# KiCad board GateMateA1-EVB_Rev_A.kicad_pcb (continued)
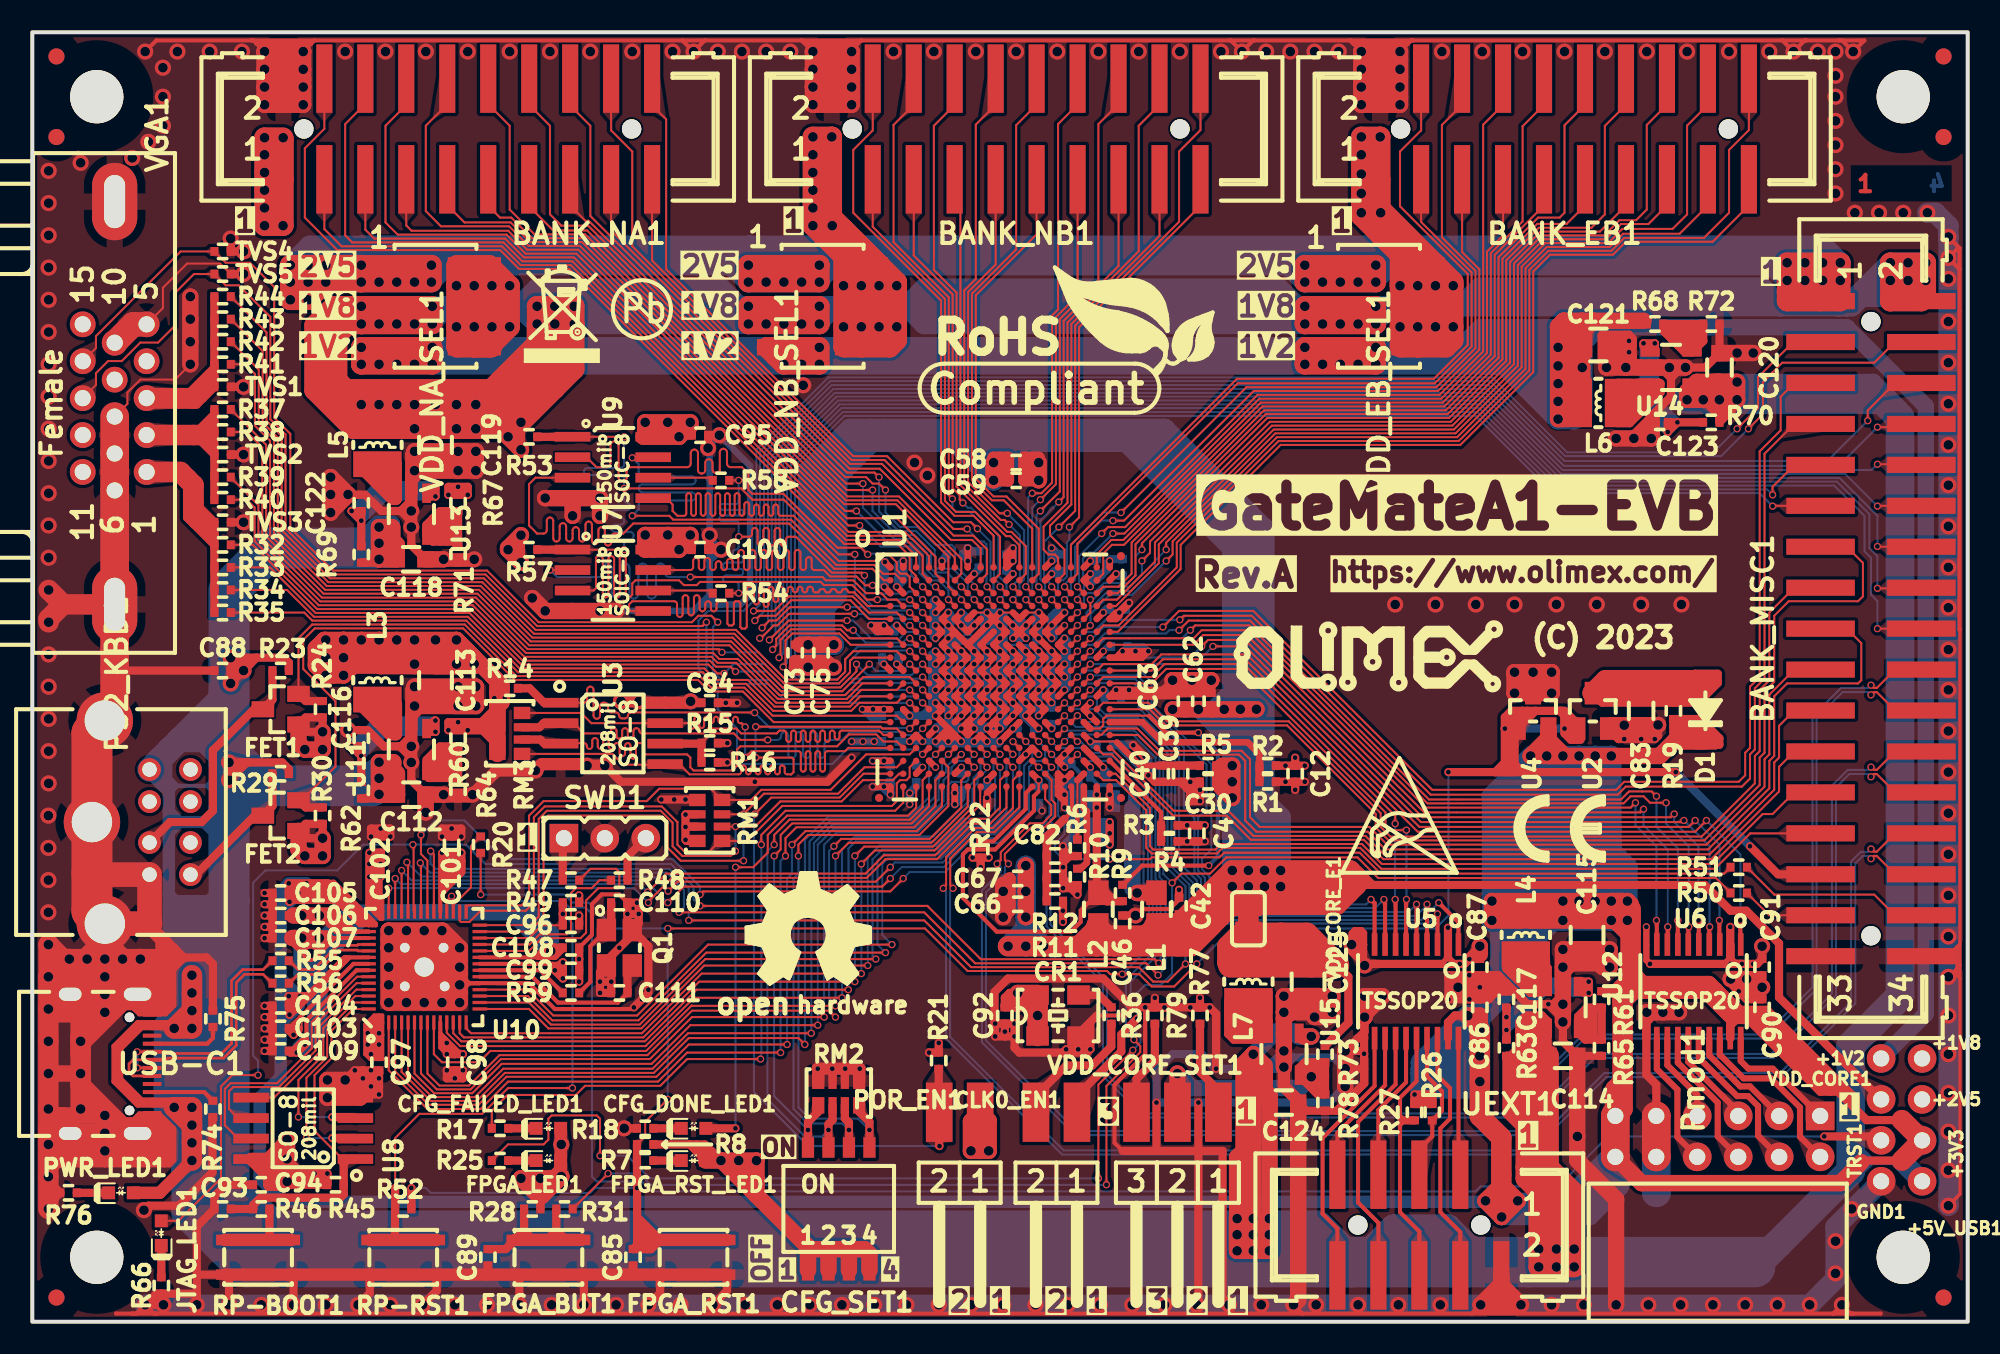
[diagram p0: board, top side]
## Routing (per net, layer and track width the routed paths; a pad name or vN(x,y) marks a point on that pad's centre or on a via; arc(x,y) is an arc through that point) (continued)
  Top w1.27: 98.6,14.85 98.6,20.55 99.1,21.05 99.1,24.1 ; 98.6,14.85 98.15,14.4 Pmod1.6 98.6,13.22 98.6,14.85 ; 99.1,24.1 99.1,25.6 ; 99.1,24.1 98.18,25.02 C115.1 ; 115.92,10 +3V3.1 115.92,12.51 ; 91.08,7.4 UEXT1.1 91.08,11.42 89.75,12.75 v1(89.75,14.9) v1(89.75,18.1)
  Top w1.778: Pmod1.6 Pmod1.12
  In1.Cu w1.016: 98.9,25.5 v1(98.9,24.9) v1(94.9,24.9) v1(94.9,26.1) ; 98.9,25.5 95.5,25.5 v1(94.9,26.1) ; 98.9,25.5 v1(98.9,26.1) v1(94.9,26.1) ; v1(90.5,26.1) v1(90.5,24.9) ; v1(92.9,35.1) v1(97.9,35.1)
  In2.Cu w1.016: v1(98.9,24.9) v1(94.9,24.9) 94.9,25.4 ; v1(98.9,24.9) v1(98.9,26.1) v1(94.9,26.1) 94.9,25.4 ; v1(98.9,24.9) 98.4,25.4 94.9,25.4 ; v1(97.9,35.1) v1(92.9,35.1)
  Bottom w0.508: 86.3,14.1 v2(86.8,14.1) ; 86.3,14.1 89,16.8 89,16.3 v2(86.8,14.1) ; 86.3,14.1 v2(85.7,14.1) ; v2(86.8,14.1) 87.4,14.1 ; v2(85.7,14.1) 89,17.4 ; v2(85.7,14.1) 85.7,15.69 86.1,16.09 ; 87.8,14.1 88.3,14.1 ; 87.8,14.1 87.4,14.1 ; 87.8,14.1 89,15.3 89,16 89,15.7 87.4,14.1 ; 88.3,14.1 88.95,14.1 v1(89.75,14.9) ; 88.3,14.1 89,14.8 89,14.9
  Bottom w0.762: 16.5,19.6 16.5,20.2 15.4,21.3 15.4,21.4 ; 16.5,19.6 15.4,19.6 ; 16.5,19.6 v2(15.95,19.05) 15.4,18.5 ; 16.5,19.6 v2(15.9,20.2) 15.4,20.7 ; 16.2,26.9 15.4,26.1 15.4,25.5 ; 16.2,26.9 v2(16.5,26.6) ; 16.2,26.9 v2(15.9,27.2) ; 15.4,25.5 15.4,26.7 v2(15.9,27.2) ; 15.4,25.5 15.4,21.4 ; 15.4,25.5 v2(15.95,26.05) v2(16.5,26.6) ; v2(16.5,26.6) 17,27.1 v2(17,27.2) v2(15.9,27.2) ; v1(90.1,7.5) 90.04,7.44 15.57,7.44 14.1,8.92 14.1,13.9 15.4,15.2 15.4,18.5 ; 15.4,18.5 15.4,19.6 ; 15.4,19.6 15.4,20.7 ; 15.4,21.4 15.4,20.7
  Bottom w1.016: 94,6.5 v1(91.1,6.5) ; 94,6.5 94.42,6.5 Pmod1.12 ; 94,6.5 96.6,6.5 98.15,8.05 98.15,8.55 96.1,6.5 95.3,6.5 ; 94,6.5 95.3,6.5 ; v1(91.1,6.5) v1(92.1,7.5) ; v1(91.1,6.5) v1(90.1,7.5) v1(92.1,7.5) ; v1(92.1,7.5) 94.95,7.5 97.68,10.23 Pmod1.12 ; 93,26.1 93,35.1 95,35.1 95,26.1 ; Pmod1.12 98.15,9.35 95.3,6.5 ; 94,35.1 94,26.1
  Bottom w1.27: v1(89.75,18.1) v1(89.75,14.9) 89,14.9 89,17.4 v1(89,18.99) ; v1(89.75,18.1) 89.75,18.85 90.45,19.55 ; v1(89.75,18.1) 89.75,18.24 89.4,18.6 ; 91.6,26.1 92.3,26.1 ; 91.6,26.1 v1(90.5,26.1) ; 91.6,26.1 91.6,33.7 93,35.1 ; 92.3,26.1 92.3,34.4 93,35.1 ; 92.3,26.1 v1(97.9,26.1) ; 86.1,15.4 86.1,16.09 v1(89,18.99) ; 86.1,15.4 89.3,18.6 89.4,18.6 ; 86.1,15.4 86.1,14.5 ; 97.9,30.7 97.9,29.2 98.9,28.2 v1(98.9,26.1) v1(98.9,24.9) v1(97.9,24.9) ; 97.9,30.7 v1(97.9,35.1) 93,35.1 ; 97.9,30.7 v1(97.9,26.1) ; 90.45,19.55 91,20.1 ; 90.45,19.55 89.89,18.99 v1(89,18.99) ; 91,20.1 91.5,20.6 ; 91,20.1 91,24.4 v1(90.5,24.9) ; 89.4,18.6 v1(89,18.99) ; 93.3,23.9 94.3,24.9 v1(94.9,24.9) 93.5,24.9 91.5,22.9 ; 93.3,23.9 91.5,22.1 ; 93.3,23.9 93.3,22.4 91.5,20.6 ; v1(90.5,26.1) 90.5,32.6 93,35.1 ; v1(90.5,26.1) v1(90.5,24.9) ; v1(97.9,24.9) v1(97.9,26.1) ; v1(97.9,24.9) v1(90.5,24.9) ; 91.5,21 89.49,18.99 v1(89,18.99) ; 91.5,21 91.5,22.1 ; 91.5,21 91.5,20.6 ; 93,35.1 94,35.1 ; v1(90.5,24.9) 91.5,23.9 91.5,22.9 ; v1(95.9,26.1) v1(95.9,35.1) ; 91.5,22.1 91.5,22.9 ; v1(96.9,26.1) v1(96.9,35.1)
  Bottom w1.778: Pmod1.12 98.15,8.55
  vias: v1(89.75,16.5) v1(93.9,35.1) v1(94.9,35.1) v2(16.45,19.55)
+5V_USB: length 770.1
  Top w0.381: v1(8.8,13.3) 8.62,13.47 USB-C1.A9 6.54,13.47 5.1,14.91 5.1,17.09 6.54,18.53 USB-C1.A4 9.58,18.53 v1(9.9,18.2) ; v1(9.9,13.3) 9.47,13.72 USB-C1.B4 6.78,13.72 5.45,15.05 5.45,16.95 6.78,18.28 USB-C1.B9 8.72,18.28 v1(8.8,18.2)
  Top w0.508: 12.2,34.1 v1(12.2,33.6) 13.3,34.7 ; 12.2,34.1 12.8,34.7 13.3,34.7 ; 12.2,34.1 v1(12.2,34.7) 13.4,34.7 ; 76.4,15.9 76.65,15.65 U15.4 76.65,14.1 ; 13.5,40.8 12.71,40.8 C88.1 ; 13.5,40.8 v1(13.1,40.4) ; 13.5,40.8 13.9,41.2 ; 93.6,19 93.95,18.65 U12.4 93.95,16.56 C114.1 93.6,16.91 93.6,19 ; 93.6,19 93.2,19 ; 92.6,11.7 91.4,12.9 R63.2 ; R63.2 92.59,16.49 92.6,16.5 ; R63.2 91.41,16.49 91.8,16.1 ; R63.2 91.64,16.49 92.2,17.05 92.2,18.6 92.6,19 93.2,19 ; R70.2 104.61,57.19 v1(104.6,57.2) ; R70.2 104.61,56.19 v1(103.6,57.2) ; R70.2 104.61,56.11 v1(105.7,57.2) 105.7,56.89 R70.2 ; v1(21.5,47.3) 21.29,47.09 R69.2 20.79,47.09 21.5,47.8 ; C88.1 12.31,41.19 v1(12.3,41.2) 13.9,41.2 ; C88.1 12.31,39.61 v1(12.3,39.6) v1(13.1,40.4) ; C88.1 v1(13.1,40.4) ; 13.4,34.7 15.5,34.7 15.91,34.29 R29.1 ; 13.4,34.7 13.3,34.7 ; 91.8,16.1 91.8,13.1 92.6,12.3 ; 91.8,16.1 92.6,15.3 ; 93.2,19 92.6,18.4 ; 93.2,19 93.2,16.6 93.3,16.5 ; 13.9,41.2 15.6,41.2 15.91,40.89 R23.1 ; 78.8,17.7 78.75,17.7 U15.1 ; v1(21.5,33.72) 21.5,33.23 20.74,32.46 R62.2 22.38,32.46 C112.1 22.55,32.76 U11.4 ; 12.24,34.64 12.2,34.6
  Top w0.762: v1(9.9,10) 7.9,8 PWR_LED1.2
  Top w1.016: C120.1 105.2,58.31 ; C120.1 104.61,57.21 v1(104.6,57.2) ; C120.1 103.21,58.31 102.6,57.71 v1(102.6,57.2) 103.3,57.2 ; C120.1 104.41,58.31 103.3,57.2 ; 105.2,58.31 105.2,57.7 v1(105.7,57.2) ; 105.2,58.31 105.69,58.31 v1(105.7,58.3) v1(105.7,57.2) ; 22.6,48.2 22.2,48.6 22.2,48 v1(21.5,47.3) ; 22.6,48.2 22.3,48.5 22.3,49.3 v1(21.5,49.3) v1(21.5,47.3) ; 22.6,48.2 C118.1 v1(21.5,47.3) ; v1(79.3,17.7) 78.8,17.7 ; v1(105.7,57.2) v1(104.6,57.2) ; v1(104.6,57.2) 103.3,57.2 ; v1(21.5,34.72) v1(21.5,33.72) v1(21.5,32.72) 21.52,32.7 C112.1 ; v1(21.5,34.72) 21.5,33.81 C112.1 ; v1(21.5,34.72) 22.38,34.72 22.38,32.93 C112.1 ; v1(75.7,4.4) v1(74.7,4.4) ; v1(75.7,4.4) v1(75.7,5.4) ; v1(75.7,4.4) v1(76.7,4.4) ; v1(75.7,4.4) 75.7,5.64 ; v1(74.7,4.4) v1(74.7,5.4) ; v1(74.7,4.4) v1(74.7,6.4) ; 22.48,34.13 22.61,34.01 C112.1 ; v1(75.7,5.4) v1(74.7,5.4) ; v1(75.7,5.4) v1(75.7,6.4) ; v1(75.7,5.4) v1(76.7,5.4) ; v1(75.7,6.4) v1(76.7,6.4) v1(76.7,5.4) ; v1(75.7,6.4) v1(74.7,6.4) ; v1(74.7,6.4) v1(74.7,5.4) ; v1(74.7,6.4) 74.7,10.2 75.05,10.55 ; v1(75.7,16.6) 75.7,11.2 ; v1(75.7,16.6) 76.4,15.9 76.4,14.35 76.71,14.04 76.71,5.65 76.7,5.64 ; v1(75.7,16.6) 75.1,16 75.1,10.6 75.05,10.55 ; 75.7,11.2 75.7,5.64 ; 75.7,11.2 75.05,10.55 ; 76.7,5.64 75.7,5.64 ; 76.7,5.64 v1(76.7,4.4) ; v1(76.7,4.4) v1(76.7,5.4)
  Top w1.27: 92.6,16.5 92.6,18.4 ; 92.6,16.5 93.3,16.5 ; 92.6,16.5 92.6,9.6 ; 93.25,8.25 92.6,8.9 92.6,9.6 ; 93.25,8.25 95.6,5.9 ; 93.25,8.25 93.4,8.1 v1(93.4,4.51) ; v1(93.4,4.51) v1(95.6,4.51) ; v1(93.4,4.51) v1(93.4,3.4) v1(95.6,3.4) v1(95.6,4.51) ; v1(95.6,4.51) 95.6,5.9 ; v1(94.5,4.51) 94.5,7.7 92.6,9.6 ; 95.6,5.9 95.6,8 94.01,9.59 ; 94.01,9.59 93.3,10.3 93.3,16.5 ; 94.01,9.59 C114.1 93.3,16.5 ; v1(9.9,12.2) v1(8.8,13.3) v1(9.9,13.3) v1(9.9,12.2) ; v1(9.9,12.2) v1(9.9,11.1) v1(9.9,10) ; v1(9.9,21.5) v1(9.9,20.4) v1(9.9,18.2) v1(8.8,18.2) v1(9.9,19.3)
  In1.Cu w1.016: v1(75.7,6.4) v1(74.7,6.4) v1(74.7,4.4) v1(76.7,4.4) v1(76.7,6.4) v1(75.7,6.4) ; v1(75.7,6.4) v1(75.7,4.4) ; v1(102.6,57.2) v1(105.7,57.2) v1(105.7,58.3) v1(104.6,57.2) ; v1(74.7,5.4) v1(76.7,5.4)
  In2.Cu w1.016: v1(102.6,57.2) v1(105.7,57.2) v1(105.7,58.3) v1(104.6,57.2) ; v1(76.7,5.4) v1(74.7,5.4) ; v1(76.7,4.4) v1(74.7,4.4) v1(74.7,6.4) v1(76.7,6.4) v1(76.7,4.4)
  Bottom w0.254: 10.8,33.25 12.2,34.65 v1(12.2,34.7) ; 10.8,33.25 9.2,33.25 ; 10.8,33.25 12.2,31.85 12.2,31.8 ; 10.8,33.25 12.2,33.25 ; 8.38,33.88 8.38,35.37 8.56,35.55 8.56,33.71 8.68,33.58 ; 8.38,33.88 8.68,33.58 ; 8.38,33.88 7.86,34.41 7.86,34.84 ; 9.2,33.25 8.28,33.25 ; 9.2,33.25 9.02,33.25 ; 8.68,33.58 9.02,33.25 ; 9.02,33.25 8.47,32.7
  Bottom w0.508: 114,9.97 113.37,9.34 112.74,9.34 ; 114,9.97 115.92,9.97 ; 114,9.97 113.37,9.97 ; 114,9.97 112.74,11.23 112.74,11.4
  Bottom w0.762: 12.2,26.1 8.87,26.1 8.47,26.5 ; v1(8.8,18.2) 8.47,18.53 8.47,25.1 ; 12.2,33.25 12.2,32.5 10.7,31 ; 8.47,30.1 8.47,30.37 9.1,31 ; 8.47,30.1 8.47,26.5 ; 8.47,30.1 8.47,31 ; 8.47,25.1 8.63,24.93 11.03,24.93 10.37,25.6 8.47,25.6 ; 8.47,25.1 8.47,25.6 ; 12.2,31.8 11.4,31 10.7,31 ; 10.7,31 12.2,29.5 12.2,29.1 ; 10.7,31 9.1,31 ; 8.47,31 9.1,31 ; 8.47,31 8.47,31.7 ; 9.1,31 8.47,31.63 8.47,31.7 ; 8.47,31.7 8.47,33.06 8.28,33.25 ; 8.47,25.6 8.47,26.5
  Bottom w1.016: 21.24,49.3 19.94,48 19.8,48 ; 21.24,49.3 v1(21.5,49.3) v1(21.5,47.3) ; 21.24,49.3 21.44,49.5 22.3,49.5 22.3,48.1 ; 22.3,48.1 v1(21.5,47.3) ; 22.3,48.1 22.3,47.67 21.92,47.3 v1(21.5,47.3) ; v1(21.5,34.72) v1(21.5,32.72) ; v1(21.5,34.72) v1(21.5,33.72) v1(21.5,32.72) ; v1(21.5,34.72) 22.21,34.72 22.3,34.62 22.3,32.84 22.17,32.72 v1(21.5,32.72) ; v1(102.6,57.2) 102.6,57.7 103.2,58.3 v1(105.7,58.3) 114.15,58.3 115.8,56.65 115.8,56.1 ; PS2_KBD1.4 8.28,33.25 ; v1(75.7,16.6) 77.1,18 78.2,18 78.5,17.7 v1(79.3,17.7)
  Bottom w1.27: +5V_USB1.1 115.92,9.97
  Bottom w1.524: 9.11,36.1 12.2,39.19 12.2,39.2 ; 9.11,36.1 10.2,36.1 ; 9.11,36.1 PS2_KBD1.4 ; 89.5,4.51 107.91,4.51 108.25,4.85 ; 89.5,4.51 83,4.51 ; 89.5,4.51 89.19,4.51 87.8,5.9 84.39,5.9 83,4.51 ; 83,4.51 80.69,4.51 80.6,4.6 ; 12.2,34.6 10.7,36.1 10.2,36.1 ; 10.2,36.1 12.2,36.1
  Bottom w1.778: 106.8,3.4 112.74,9.34 112.74,17.12 115.8,20.18 115.8,56.1 114.7,57.2 v1(102.6,57.2)
  Bottom w2.54: 12.2,33.25 12.2,30.43 ; 12.2,33.25 12.2,36.1 ; 12.2,33.25 14.17,33.25 ; 14.17,33.25 21.03,33.25 v1(21.5,33.72) ; 14.17,33.25 12.2,35.22 12.2,36.1 ; 14.17,33.25 12.2,31.28 12.2,30.43 ; 12.2,26.1 12.2,8.24 14.8,5.64 79.56,5.64 81.8,3.4 ; 12.2,26.1 12.2,30.43 ; 12.2,26.1 11.03,24.93 ; 12.2,36.1 12.2,45.4 14.8,48 21.2,48 v1(21.5,48.3) ; 14.9,3.4 81.8,3.4 ; 14.9,3.4 13.3,3.4 9.9,6.8 v1(9.9,10) ; 14.9,3.4 9.9,8.4 v1(9.9,10) ; 81.8,3.4 106.8,3.4 ; 8.8,14.5 v1(8.8,13.3) 9.59,12.51 9.59,20.4 ; 8.8,14.5 v1(8.8,18.2) 9.59,18.99 ; 8.8,14.5 9.9,13.4 v1(9.9,10) ; 11.03,24.93 9.9,23.8 v1(9.9,18.2) ; 11.03,24.93 9.59,23.49 9.59,20.4 ; 9.59,18.99 9.9,18.69 v1(9.9,13.3) ; 9.59,18.99 9.59,20.4
  vias: v1(94.5,3.4)
/+1V1: length 107.3
  Top w0.254: 32.14,22.96 32.4,22.96 ; 32.14,22.96 31.81,22.62 31.81,22.61 ; 32.14,22.96 32.4,22.96 ; 32.14,22.96 32.14,22.94 31.9,22.7 ; 32.4,22.96 32.4,23.2 31.81,22.61 ; 19.3,23.81 18.76,23.81 18.33,23.38 ; 19.3,23.81 18.6,23.81 ; 19.3,23.81 U10.45 ; 18.6,23.81 18.45,23.81 ; 18.6,23.81 18.25,24.15 17.05,24.15 v1(16.7,23.81) ; 18.45,23.81 v1(17.8,23.81) ; 18.45,23.81 18.33,23.68 18.33,23.38 ; 16.5,16.8 17,17.3 17,18.7 20.11,21.81 U10.50 ; 31.3,22.61 31.31,22.61 31.4,22.7 ; 31.3,22.61 U10.23 ; 31.3,22.61 31.81,22.61 ; 18.33,23.38 17.8,22.85 v1(17.25,22.85) ; C107.1 15.91,23.81
  Top w0.508: 32.14,22.96 32.39,23.2 32.4,23.2 ; 31.9,23.2 31.4,22.7 31.9,22.7 ; 31.9,23.2 31.9,22.7 ; 31.9,23.2 32.4,23.2 ; 31.9,22.7 32.39,22.7 C108.1 32.4,23.2 ; 31.9,22.7 32.4,23.2 ; v2(16.9,17.2) 16.6,17.2 ; v2(16.9,17.2) 16.9,17.5 16.6,17.2 ; v2(16.9,17.2) v2(16.4,16.7) 16.01,16.7 C109.1 16.2,16.8 ; 16.6,17.2 16.2,16.8 ; 16.2,16.8 16.5,16.8 ; 15.91,23.81 16.15,23.81
  Top w1.016: v1(17.25,22.85) 17.8,23.4 v1(17.8,23.81) ; v1(17.25,22.85) 16.29,23.81 16.15,23.81 v1(16.7,23.81) v1(17.8,23.81) ; v1(17.25,22.85) 17.25,23.26 v1(17.8,23.81)
  Bottom w0.508: 32.14,22.96 32.39,23.2 32.4,23.2 ; 32.4,23.2 32.4,24.2 30.96,25.64 19.63,25.64 v1(17.8,23.81) ; 32.4,23.2 32.34,23.2 v1(32.14,23) 31.94,23.2 31.9,23.2 ; 16.9,17.6 v2(16.9,17.2) v2(16.4,16.7) ; 16.9,17.6 16.4,17.1 v2(16.4,16.7) ; 16.9,17.6 17.8,18.5 ; v2(16.4,16.7) 16.78,16.7 17.8,17.72 17.8,18.1
  Bottom w0.762: v1(16.7,23.81) 17.3,23.81 ; 17.3,23.81 17.3,21 ; 17.3,23.81 v1(17.8,23.81) 17.8,20.5 17.3,21 ; 17.3,21 17.4,20.9 17.4,17.7 v2(16.9,17.2)
  Bottom w1.016: 30.24,24.9 29.74,25.4 20.8,25.4 17.3,21.9 ; 30.24,24.9 30.8,24.9 32.14,23.56 v1(32.14,23) 30.24,24.9 ; 17.3,21 16.7,21.6 v1(16.7,23.81) v1(17.8,23.81) 17.8,18.1 v2(16.9,17.2) ; v1(17.25,22.85) 19.4,25 20.4,25
/VDD_PLL: length 8.5
  Top w0.127: v2(65.6,36) 67.2,36 67.25,35.95
  Top w0.381: 67.25,35.95 68.69,34.51 C40.2 ; U1.P16 v2(65.6,36)
  Top w0.508: C40.2 72.38,34.51 R5.2
  Bottom w0.508: v2(65.6,36) 65.8,35.8 C41.2
/VDD_SER: length 36.3
  Top w0.127: 62.4,32.9 62.4,32.9 62.4,33.59 62.4,33.6
  Top w0.254: 62.4,33.6 v2(62.4,33.6) ; L2.2 65,25.52 65,24.8 64.4,24.2 59.8,24.2 57.7,26.3 57.7,29 58,29.3 59.7,29.3 62.1,31.7 62.1,32.6 62.4,32.9
  Top w0.406: U1.U12 v2(62.4,33.6) ; v2(66,32.7) U1.V17
  Top w0.508: R9.1 67.1,26.09 ; 67.1,26.09 66.62,26.09 ; 67.1,26.09 66.58,26.62 L2.2 ; 67.1,26.09 66.9,26.09 ; 66.62,26.09 L2.2 ; 66.62,26.09 66,26.72 v2(66,31.9) v2(66,32.7) ; 66.62,26.09 66.9,26.09 ; L2.2 66.38,26.62 66.9,26.09
  Bottom w0.508: C48.2 62.4,33.59 62.4,33.6 ; C47.2 v2(66,31.9) v2(66,32.7) C49.2 C47.2
/VDD_SER_PLL: length 11.7
  Top w0.406: U1.T16 v2(65.6,34.4)
  Top w1.016: v1(68.5,26.6) 69.68,26.6 L1.2
  Bottom w0.254: C45.2 66.11,33.29 67.62,33.29 C44.2
  Bottom w0.381: 65.59,34.39 v2(65.6,34.4)
  Bottom w0.406: C45.2 65.59,34.39
  Bottom w0.508: C43.2 C44.2
  Bottom w1.016: C43.2 68.21,26.89 v1(68.5,26.6)
GND: length 2926.1
  Top w0.127: 58.4,44 v2(59.2,44) ; v1(9.8,59.4) 8.85,58.45 6.7,58.45 5.9,57.65 5.9,56.94 VGA1.8 ; VGA1.5 8.1,62.89 8.1,64.15 9.6,65.65 11.65,65.65 12.3,65 TVS5.1 ; 60.8,44 v2(60,44) ; 61.6,44 v2(62.4,44)
  Top w0.2: U1.A1 53.26,46.74
  Top w0.203: 119.52,22.12 118.95,22.68 BANK_MISC1.34 118.75,22.68 119.34,23.27 ; 119.52,22.12 119.52,21.3 ; 119.52,22.12 119.52,23.45 ; 119.52,22.12 v1(118.8,21.4) 119.1,21.7 119.34,21.7 ; 119.52,21.3 119.52,7.92 v1(118.8,7.2) ; 119.52,21.3 119.34,21.48 119.34,21.7 ; 119.34,21.7 119.34,23.27 ; 119.34,23.27 119.52,23.45 ; 119.52,23.45 119.52,42.97 119.49,43
  Top w0.254: 110,79.49 109.89,79.49 v1(109.2,78.8) 108.51,79.49 ; 110,79.49 112,79.49 ; 110,79.49 108.51,79.49 ; U10.19 27.11,21.01 26.5,20.4 ; U10.19 30.79,21.01 32.4,19.4 37.2,19.4 v2(37.3,19.5) ; U10.19 27.09,21.01 26.5,21.6 ; U10.19 25.77,21.01 U10.57 ; 111.66,0.51 v1(112.2,1.05) 112.74,0.51 112.9,0.51 ; 111.66,0.51 112.9,0.51 ; 111.66,0.51 89.26,0.51 ; 68.19,19.51 67.68,19 66,19 ; 85.3,79.3 85.49,79.49 85.6,79.49 ; 85.3,79.3 81.9,79.3 81.71,79.49 ; 85.3,79.3 v1(84.8,78.8) ; 40.31,79.49 v1(41,78.8) 41.69,79.49 41.7,79.49 ; 40.31,79.49 17.49,79.49 ; 40.31,79.49 41.7,79.49 ; 13.6,79.49 13.71,79.49 13.9,79.3 ; 13.6,79.49 7.69,79.49 v1(7,78.8) ; 13.6,79.49 17.49,79.49 ; 112,79.49 113.59,79.49 v1(112.9,78.8) 112.21,79.49 112,79.49 ; 41.7,79.49 47.7,79.49 ; 75.75,79.49 81.71,79.49 ; 75.75,79.49 74.25,79.49 ; 75.75,79.49 75.69,79.49 v1(75,78.8) 74.31,79.49 74.25,79.49 ; 81.71,79.49 v1(82.4,78.8) ; 81.71,79.49 85.6,79.49 ; 8.2,9.7 4.5,9.7 ; 8.2,9.7 8.35,9.85 ; 8.2,9.7 8.5,9.7 8.8,10 8.8,11.7 ; 4.5,9.7 v1(4.5,10.6) ; 4.5,9.7 1.7,9.7 ; 17.49,79.49 17.3,79.3 ; 114.6,0.51 112.9,0.51 ; USB-C1.A1 6.88,19.33 6.53,19.67 USB-C1.0 ; USB-C1.A1 6.61,19.33 5.62,20.32 ; USB-C1.A1 7.92,19.33 8.2,19.6 ; USB-C1.A1 6.38,19.33 6.3,19.4 ; 67.2,44 v2(67.4,44) 67,43.6 U1.E18 ; 6.3,19.4 6.25,19.45 5.05,19.45 4.9,19.6 6.1,19.6 6.3,19.4 ; 6.3,19.4 6.63,19.08 USB-C1.B12 8.28,19.08 8.8,19.6 8.8,22.6 ; 52.4,42.8 52.2,43 53,43 v2(52.8,43.2) ; 51.19,79.31 50.8,78.92 v1(50.8,78.8) ; 51.19,79.31 51.37,79.49 51.4,79.49 ; 51.19,79.31 47.89,79.31 47.85,79.35 ; v1(1,11) 1,10.4 1.55,9.85 ; 8.8,11.7 8.8,12 7.88,12.92 USB-C1.B1 6.63,12.92 6.26,12.56 5.74,12.56 5.5,12.8 v1(4.5,12.8) ; 8.8,11.7 8.65,11.85 ; 47.85,79.35 47.71,79.49 47.7,79.49 ; 47.85,79.35 v1(48.4,78.8) ; 119.49,65.29 119.49,42.9 ; 119.49,65.29 119.49,65.31 v1(118.8,66) 119.41,66.61 119.49,66.61 ; 119.49,65.29 119.49,66.61 ; v1(16.8,78.8) 17.3,79.3 ; 17.3,79.3 13.9,79.3 ; C110.2 36.39,26.51 35.31,26.51 34.7,25.9 34.7,24 33.91,23.21 C108.2 ; v1(68.4,25.2) 68.8,25.6 70.52,25.6 71.1,26.18 C42.2 ; 74.25,79.49 51.4,79.49 ; 8.35,9.85 1.55,9.85 ; 8.35,9.85 8.65,10.15 8.65,11.85 ; 1.55,9.85 1.7,9.7 ; 13.9,79.3 v1(14.4,78.8) ; v1(89.8,1.05) 89.26,0.51 ; 89.26,0.51 78.74,0.51 ; U1.F6 v2(56.8,43.2) ; 108.51,79.49 85.6,79.49 ; 8.65,11.85 7.83,12.67 USB-C1.A12 ; v2(69,19.51) 69,16.6 67.1,14.7 67.1,11.1 67.6,10.6 ; 47.7,79.49 51.4,79.49 ; 78.74,0.51 v1(78.2,1.05) ; 78.74,0.51 7.7,0.51 ; 1.7,9.7 v1(1,9) ; 7.7,0.51 6.2,0.51 ; 7.7,0.51 7.54,0.51 v1(7,1.05) 6.46,0.51 6.2,0.51 ; 6.2,0.51 5.2,0.51 ; v1(118.8,67.3) 119.49,66.61 ; 52.83,45.57 v2(52.83,45.6)
  Top w0.381: 70.3,39 70.7,39.4 v1(70.7,39.8) ; 70.3,39 71.1,39 v1(71.9,39.8) 70.9,38.8 67.6,38.8 67.6,38.8 ; 70.3,39 67.4,39 ; v2(68.4,41.6) v2(69.2,41.6) 69,41.4 ; v2(68.4,41.6) v2(67.6,41.6) 67.4,41.4 ; v2(68.4,41.6) 68.2,41.4 ; v2(89.1,20) 89.11,20.01 89.1,20.02 89.1,20.75 ; 5.7,11.68 6.69,12.67 USB-C1.A12 ; 67.6,38.8 v2(68,39.2) 67.6,39.2 ; 67.6,38.8 67,38.8 ; 67.4,41.4 67.2,41.2 68,41.2 ; 67.4,41.4 68.2,41.4 ; 89.1,20.75 v2(89.75,20.75) ; 89.1,20.75 v2(89.1,21.5) 89.11,21.49 ; 7.23,12.47 USB-C1.A12 ; 7.23,12.47 6.53,11.77 USB-C1.0 6.53,12.13 7.08,12.67 USB-C1.A12 ; 7.23,12.47 7.26,12.5 8,12.5 ; 69,41.4 68.8,41.2 68,41.2 ; 69,41.4 68.2,41.4 ; 68.2,41.4 68,41.2 ; 67.4,39 67.2,38.8 67,38.8 ; 67.4,39 67.6,39.2 ; 67,38.8 U1.L18 ; v2(67.2,39.2) 67.6,39.2
  Top w0.406: U1.E7 58.4,44 ; v2(53.2,32.7) U1.V1 v2(52.8,33.2) v2(52.1,33.2) ; v2(59.2,32.5) 59.2,32.8 U1.V9 ; U1.F14 v2(64,43.2) ; U1.V6 v2(57.2,32.8) v2(57.2,32.1) ; v2(58,48) v2(58,47.2) U1.A7 ; U1.P4 v2(56,36.8) ; 67.2,44 U1.E18 67.2,43.6 67.4,43.8 v2(67.4,44) ; U1.A13 v2(63.2,47.2) ; v2(63.2,38.4) U1.L13 v2(63.2,39.2) U1.K14 v2(63.2,40) U1.J13 v2(63.2,40.8) U1.H14 v2(63.2,41.6) U1.G13 v2(62.4,42.4) U1.F12 v2(62.4,43.2) U1.E13 v2(62.4,44) ; U1.R16 U1.T17 v2(66.4,34.4) ; U1.T11 v2(61.6,35.2) U1.R12 v2(62.4,35.2) ; U1.N7 v2(57.6,36.8) ; U1.N7 v2(58.4,36.8) ; U1.N7 v2(58.4,37.6) U1.M8 v2(58.4,38.4) U1.L7 v2(58.4,39.2) U1.K8 v2(58.4,40) U1.J7 v2(58.4,40.8) U1.H8 v2(58.4,41.6) U1.G7 ; v2(57.6,36.8) U1.P7 v2(58.4,36.8) ; v2(57.6,36.8) v2(58.4,36.8) ; v2(64,31.9) 64,32.3 ; 64,32.3 63.6,32.7 U1.V14 ; 64,32.3 v2(64,32.7) 64,32.8 U1.V14 ; U1.F6 U1.G7 ; U1.F6 v2(56.8,43.2) U1.E5 v2(56.8,44) ; U1.F6 v2(56.8,42.4) U1.G5 v2(56.8,41.6) U1.H6 v2(56.8,40.8) U1.J5 v2(56.8,40) U1.K6 v2(56.8,39.2) U1.L5 v2(56.8,38.4) U1.M6 v2(56.8,37.6) ; U1.G7 U1.F8 v2(59.2,43.2) U1.E9 ; U1.E9 v2(60,43.2) U1.F10 v2(60,42.4) U1.G9 v2(60,41.6) U1.H10 v2(60,40.8) U1.J9 v2(60,40) U1.K10 v2(60,39.2) U1.L9 v2(60,38.4) U1.M10 v2(60,37.6) U1.N9 ; U1.E9 v2(59.2,44) ; U1.E9 v2(60,44) ; v2(64,33.6) U1.U15 ; v2(64,33.6) U1.U14 U1.V14 ; v2(64,33.6) U1.V14 ; U1.N9 v2(60,36.8) U1.P9 v2(59.2,36.8) U1.N9 ; v2(65.6,45.6) U1.B16 v2(65.6,46.4) ; v2(65.6,38.4) U1.M16 v2(65.6,37.6) U1.N17 ; U1.V18 v2(66.8,32.7) ; U1.G11 v2(61.6,41.6) U1.H12 v2(61.6,40.8) U1.J11 v2(61.6,40) U1.K12 v2(61.6,39.2) U1.L11 v2(61.6,38.4) U1.M12 v2(61.6,37.6) U1.N12 v2(62.4,36.8) ; 67.2,41.2 v2(67.6,41.6) v2(69.2,41.6) 68.8,41.2 U1.H18 ; U1.A1 v2(52.86,47.14) ; U1.A18 v2(66.8,47.2) ; 61.6,44 U1.E11 60.8,44 ; v2(51.46,38) v2(52.8,38) U1.M1 ; U1.C1 52.83,45.57 ; U1.T4 v2(56,34.4) ; U1.J1 v2(52.8,40.8) ; U1.A10 v2(60.8,47.2) v2(60.8,48) 60.4,47.6 U1.A10 ; v2(67.2,39.2) v2(68,39.2) 70.1,39.2 v1(70.7,39.8) 69.7,38.8 U1.L18 v2(67.2,39.2) ; U1.F1 v2(52.8,43.2) v2(52,43.2) 52.4,42.8 U1.F1
  Top w0.508: 22.8,35.7 21.8,35.7 20.79,36.71 C116.2 19.59,36.71 v1(19.58,36.72) ; 22.8,35.7 22.86,35.7 23.5,36.34 U11.2 ; 22.8,35.7 23.5,35 v1(23.5,34.7) 23.5,33.59 C112.2 ; 22.8,35.7 v1(23.5,35.7) ; 22.85,50.3 23.5,49.65 v1(23.5,49.3) 23.5,48.18 C118.2 ; 22.85,50.3 23.5,50.95 U13.2 ; 22.85,50.3 22.8,50.3 ; 71.8,32.3 v2(72.4,32.3) v2(72.4,33) ; 71.8,32.3 71.8,32.7 ; 71.8,32.3 72.4,32.9 v2(72.4,33) ; U14.2 99.2,59.2 99,59.4 v1(98.8,59.2) 98.8,61.17 98.74,61.23 C121.2 ; 101.6,58.55 101.6,57.4 100.95,56.75 ; 101.6,58.55 100.95,59.2 100.9,59.2 ; 101.6,58.55 102.25,59.2 v1(102.5,59.2) 103.72,59.2 C120.2 104.61,61.89 R72.2 ; 90.8,20.5 90.81,20.51 C117.2 91.4,21 ; 90.8,20.5 90.8,21.1 90.4,21.5 ; 90.8,20.5 90.9,20.5 91.4,21 ; 90.8,20.5 90.31,20.01 C86.2 ; 90.8,20.5 90,20.5 v2(89.75,20.75) ; 90.8,20.5 91.9,20.5 92.05,20.35 ; 20.5,15.6 v2(20,15.6) v1(19.4,15) ; 20.5,15.6 20.5,14.6 21.5,14.6 ; 20.5,15.6 20.51,15.59 C97.2 v2(21.5,15.1) 21.5,14.6 ; v2(71.8,33.49) 71.8,33 ; v2(71.8,33.49) C40.1 69.61,33.49 v2(69.2,33.9) ; v2(71.8,33.49) C39.1 ; 71.8,33 71.8,32.7 ; 71.8,33 v2(72.4,33) ; 28.2,2.92 28.25,2.97 C89.2 ; U5.11 v2(82.57,16.62) ; U5.11 82.2,17.6 ; U5.11 82.57,18.88 v1(82.6,18.9) 82.6,18 82.2,17.6 ; v2(82.57,16.62) 82.57,15.7 ; v2(82.57,16.62) 82.4,16.8 v1(81.4,16.8) 82.2,17.6 ; R22.2 58.31,28.79 v2(58.3,28.8) ; R22.2 59.29,28.79 v2(59.3,28.8) ; R22.2 v2(58.8,28.2) ; 65.6,18.6 66,19 ; 65.6,18.6 64.87,17.87 CR1.2 64.87,16.92 v2(64.85,16.9) ; 65.6,18.6 v2(65.6,16.9) ; C88.2 5.21,40.4 5.11,40.5 ; v1(27.3,32.7) 27.06,32.46 R64.2 25.74,32.46 v1(25.5,32.7) ; R66.2 10.16,1.74 10.2,1.7 ; R66.2 8,1.55 7.5,1.05 ; R66.2 7.69,1.74 v1(7,1.05) 7.5,1.05 ; R66.2 8,1.19 v1(8.14,1.05) 7.5,1.05 ; v1(20.2,1.05) 20.92,1.78 RP-RST1.2 ; 72.3,10.6 73.8,10.6 73.8,1.45 v1(74.2,1.05) ; 72.3,10.6 72.3,1.15 v1(72.2,1.05) ; 72.3,10.6 69.7,10.6 ; 72.3,10.6 v2(72.3,13.6) ; v1(25.5,47.3) 25.71,47.09 R71.2 27.19,47.09 v1(27.4,47.3) ; RM2.2.2 49.62,15.68 v2(49.6,15.7) ; v1(24.2,1.05) 25.08,1.93 RP-RST1.2 ; C82.2 63.92,28.89 R6.1 64.3,28.89 ; C82.2 63.91,28.5 ; C82.2 63.91,29.3 ; R10.1 64.32,27.09 R12.2 ; R10.1 v2(64.8,26.5) 64.4,26.9 v2(63.91,26.9) ; R10.1 64.1,27.09 v2(63.91,26.9) ; v2(59.7,18.5) v2(59.7,17.7) 60.3,17.7 ; v2(59.7,18.5) 59.71,18.49 C92.1 ; v2(59.7,18.5) 59.66,18.54 59.66,20.46 60.49,21.29 66.41,21.29 68.19,19.51 v2(69,19.51) R79.2 ; v2(21.5,14.1) 20.23,14.1 U8.4 ; v2(21.5,14.1) 21.5,14.6 ; v2(21.5,14.1) v2(21,14.6) v2(21,15.6) ; v1(1,9) 1,8.74 R76.2 1,7.26 v1(1,7) ; 10.2,1.7 v1(10.2,1.05) ; 10.2,1.7 10.2,2.9 ; U6.11 100.07,18.58 100.7,19.2 ; U6.11 100.07,19.18 v1(100.1,19.2) ; U6.11 100.07,15.33 100.69,14.71 Pmod1.5 ; v2(94,19.7) 94.3,19.7 94.9,20.3 ; v2(94,19.7) v1(94.9,19.7) ; v2(94,19.7) 94.9,18.8 v1(94.9,18.6) 94.9,17.39 95.79,16.5 97.29,16.5 R65.2 ; v2(94,19.7) 92.7,19.7 92.05,20.35 ; R75.1 11.2,22.2 10.8,22.6 9.4,22.6 ; 7.9,24.1 7.9,22.5 7.9,23.6 6.8,24.7 ; 7.9,24.1 8.35,23.65 ; 7.9,24.1 7.3,24.7 ; v2(65.6,16.9) v2(64.1,16.9) 63.9,16.7 ; v2(65.6,16.9) 65.4,16.7 63.9,16.7 ; v2(33.9,25.2) 33.91,25.19 C96.2 ; v1(6.7,22.5) 6.8,22.6 8.4,22.6 ; C42.2 v2(71.1,26.8) ; 8.35,23.65 8.4,23.6 8.4,22.6 ; 8.35,23.65 8.8,23.2 ; v2(72.7,29.8) 72.21,29.8 C4.2 72.19,29.8 v2(71.61,29.8) R4.1 ; C102.2 v2(21.6,30.6) ; C102.2 22.19,30.11 v2(22.2,30.1) 22.2,30.6 v2(21.6,30.6) ; C102.2 21.01,30.11 v2(21,30.1) 21,30.6 v2(21.6,30.6) ; 9.4,22.6 8.8,23.2 ; 9.4,22.6 8.8,22.6 ; 9.4,22.6 8.2,21.4 ; 20.64,51.31 21.65,50.3 22.8,50.3 ; 99.7,59.2 99.22,59.67 99.22,59.9 ; v2(87.8,21.5) 87.8,21.32 89.11,20.01 C86.2 ; v2(87.8,21.5) v2(89.1,21.5) ; v2(87.8,21.5) v2(87.8,20) ; v2(63.91,26.9) R12.2 ; C92.1 60.89,18.49 v2(60.9,18.5) 60.9,17 61.2,16.7 63.9,16.7 ; C92.1 v2(60.3,18) 60.3,17.7 ; C46.2 68.39,25.21 v1(68.4,25.2) ; C39.1 71.8,32.89 71.8,32.7 ; C39.1 72.38,33.49 C30.2 72.4,33.49 v2(72.4,33) ; v2(66.8,32.7) v2(66.8,31.9) ; 63.91,28.5 v2(63.91,28.2) R12.2 ; 63.91,28.5 64.3,28.89 ; C98.2 25.71,15.59 v2(25.7,15.6) 25.7,15.1 26.7,15.1 v2(26.7,15.6) 26.69,15.59 C98.2 ; C98.2 v2(26.2,15.1) ; 100.95,56.75 100.79,56.59 ; 100.95,56.75 100.39,56.19 C123.2 ; 8.8,23.2 8.8,22.6 ; 8.8,22.6 8.4,22.6 ; v2(99,60.85) 99,61.23 ; v2(99,60.85) 99,60.35 ; v2(99,60.85) 99.2,60.85 99.22,60.83 ; 99,61.23 97.33,61.23 97.3,61.2 97.3,59.5 v1(97.6,59.2) ; 99,61.23 99.22,61 99.22,60.83 ; R16.2 v2(43.1,34.7) ; C101.2 v2(26,30.6) ; C101.2 26.59,30.11 v2(26.6,30.1) 26.6,30.6 v2(26,30.6) ; C101.2 25.41,30.11 v2(25.4,30.1) 25.4,30.6 v2(26,30.6) ; 91.4,21 92.05,20.35 ; 91.4,21 90.9,21.5 90.4,21.5 ; C103.2 v2(14.4,18.2) ; C103.2 14.89,18.9 ; C103.2 14.89,17.5 ; v2(106.3,20) 106.31,20.01 C90.2 v1(107.25,20.75) C91.2 106.53,21.49 v1(106.3,21.26) ; v2(106.3,20) 106.3,20.75 ; v2(106.3,20) 105.3,21 v1(105.3,21.26) ; C12.2 78.29,33.5 v2(77.7,33.5) R1.1 ; C12.2 v2(78.3,33) ; C12.2 78.31,33.5 v2(78.9,33.5) ; C86.2 v2(89.75,20.75) ; v2(14.4,17.5) 14.89,17.5 ; 14.89,17.5 C109.2 v2(14.4,16.8) ; v2(33.9,21.1) 33.91,21.11 C99.2 33.91,22.49 v2(33.9,22.5) 33.91,22.51 C108.2 ; FPGA_RST1.2 38.93,1.78 v1(38.2,1.05) ; 44.3,33.5 49.3,33.5 v2(50.8,35) ; 44.3,33.5 36.5,33.5 v1(35.5,34.5) ; 44.3,33.5 v2(44.8,33.5) ; v1(13.1,66.4) TVS4.1 12.31,67.19 v1(12.3,67.2) ; 41.91,48.3 42.31,47.9 v1(42.7,47.9) C100.1 41.91,48.3 ; 41.91,48.3 41.91,48.71 v1(42,48.8) ; R79.2 v2(69.6,20.1) ; R79.2 70.19,19.51 v2(70.2,19.5) 70.21,19.51 R77.1 ; v1(42.6,55) C95.1 41.91,54.21 v1(41.9,54.2) ; 82.57,15.7 82.57,14.78 81.4,13.6 ; 82.57,15.7 v1(81.4,15.7) ; v2(56.2,17.3) R21.1 55.61,16.71 v2(55.6,16.7) ; 99,60.35 v2(99,60.15) 99,59.8 99.22,59.58 99.22,59.9 ; 99,60.35 99.22,60.58 ; Q1.3 36.9,24.6 36.9,25.99 C110.2 v2(37.5,26) 37.6,25.9 37.6,24.7 Q1.3 ; Q1.3 37.2,24 v2(36.4,23.2) 35.6,22.4 Q1.3 ; Q1.3 38.2,23.3 38.2,20.4 v2(37.8,20) v2(37.3,19.5) ; C87.2 89.11,21.49 87.8,20.18 v2(87.8,20) ; C87.2 v2(89.75,20.75) ; C87.2 90.39,21.49 90.4,21.5 ; R77.1 71.81,19.51 v2(71.8,19.5) ; R77.1 72.99,19.51 v2(73,19.5) 73.4,19.1 v2(73.4,15.7) ; R77.1 v2(72.4,20.1) ; C63.1 C62.1 v1(73.1,39.8) ; C63.1 71.49,39.01 71.25,39.25 ; C63.1 71.5,39.4 v1(71.9,39.8) ; TVS1.1 v1(13.1,58) ; 63.91,29.3 63.91,29.49 v2(63.9,29.5) ; 63.91,29.3 64.3,28.91 64.3,28.89 ; 10.2,2.9 10.22,2.92 RP-BOOT1.2 12.2,2.65 v1(12.2,1.05) ; 10.2,2.9 10.2,5.91 C93.1 11.29,7.78 12.01,8.5 C94.1 ; TVS3.1 v1(13.1,49.6) ; C122.2 19.59,51.31 v1(19.58,51.32) ; v2(87.8,20) v2(89.1,20) ; R18.2 v1(36.7,12) ; 14.89,18.9 C104.2 v2(14.4,19.6) ; 14.89,18.9 v2(14.4,18.9) ; 37.2,2.92 37.25,2.97 C85.1 ; v1(6.92,6.92) 7.2,7.2 9.1,7.2 11.17,9.27 11.17,12.66 R74.1 ; v2(68.27,35.77) v2(68.96,35.07) ; C84.1 v2(43,38.4) v2(43.7,38.4) ; TVS2.1 v1(13.1,53.8) ; 60.3,17.7 v2(60.9,17.7) ; v2(36.9,25.3) v2(37.6,25.3) ; v2(69.7,13.6) 69.7,10.6 ; 69.7,10.6 67.6,10.6 ; v1(81.4,14.6) 81.4,13.6 ; 81.4,13.6 80.89,13.09 R78.2 79,13.09 C124.2 ; v2(14.4,23.8) C107.2 14.89,24.5 ; 99.22,59.9 99.22,60.58 ; 99.22,60.58 99.22,60.83 ; v2(14.4,24.5) 14.89,24.5 ; 14.89,24.5 C106.2 ; RP-BOOT1.2 16.2,2.8 v1(16.2,1.05) ; FPGA_BUT1.2 30.2,2.65 v1(30.2,1.05) ; 14.89,25.9 C105.2 v2(14.4,26.6) ; 14.89,25.9 v2(14.4,25.9) ; 14.89,25.9 C106.2 ; 100.8,36.35 v2(100.6,36.15) v2(98.7,36.15) 98.35,36.15 U2.2 98.15,36.35 100.8,36.35 ; 100.8,36.35 v1(100.8,37.03) ; v2(67.4,44) v2(68,44.6) ; C106.2 v2(14.4,25.2) ; Q1.3 35.9,21.8 35.9,21 35.89,20.99 C111.2 v2(35.2,20.4) 35.2,21.7 Q1.3 ; 22.8,50.3 v1(23.5,50.3) ; 50.3,15.7 50.38,15.62 RM2.3.2 ; 100.65,56.44 100.65,55.07 v1(100.38,54.8) ; v1(34.2,1.05) 34.2,2.8 FPGA_BUT1.2 ; v1(42.2,1.05) 43.07,1.93 FPGA_RST1.2 ; v2(39,32.4) v2(40.5,32.4) 41.21,32.4 RM1.4.2 ; TVS5.1 v1(13.1,65) ; v2(59.2,31.8) v2(59.2,32.5) ; C83.2 v2(99.75,36.15) ; v2(35.9,21.1) v2(35.2,21.1)